# KiCad board IO-SDR_Rev_1.0.kicad_pcb (continued)
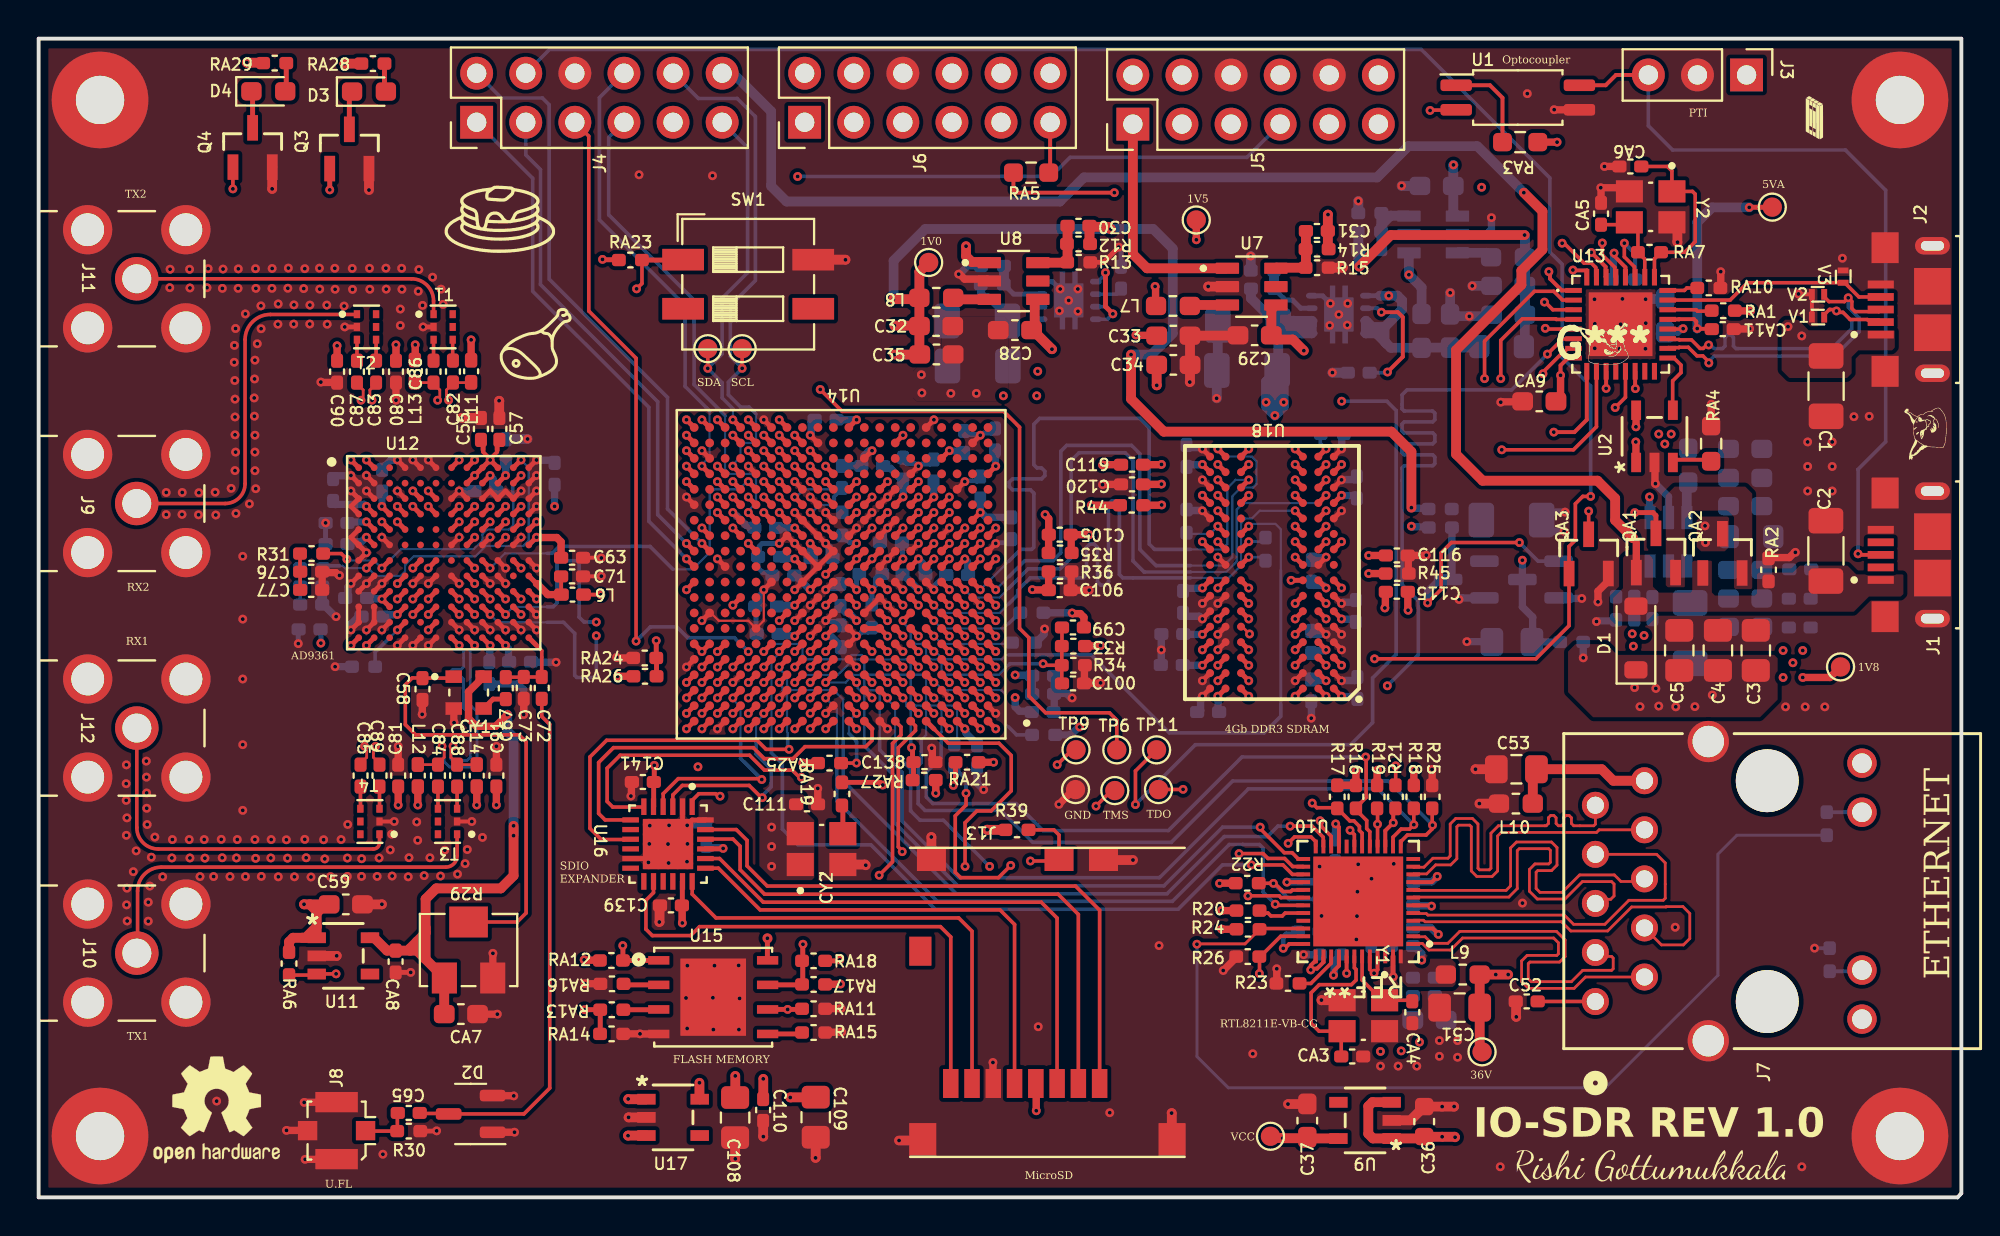
[diagram p0: board, top side]
## Routing (per net, layer and track width the routed paths; a pad name or vN(x,y) marks a point on that pad's centre or on a via; arc(x,y) is an arc through that point) (continued)
PS_MIO39_501_USB0_D7: length 82.5
  Top.Cu w0.186: v1(81.55,40.88) 82.08,41.41 U13.13
  Top.Cu w0.254: v1(35.11,25.85) U14.C18
  In2_Sig1.Cu w0.113: v1(35.11,25.85) 34.71,25.45 34.71,24.89 34.48,24.65 34.15,24.65 33.91,24.41 33.91,23.92 33.67,23.69 33.67,20.56 34.59,19.65 34.59,18.07 36.67,15.99 39.41,15.99 42.36,13.04 56.54,13.04 57.41,12.18 62.12,12.18 63.52,13.58 64.33,13.58 65.98,15.23 70.15,15.23 70.71,15.79 72.84,15.79 79.24,22.19 79.24,32.32 81.55,34.63 v1(81.55,40.88)
PTI: length 40.7
  Top.Cu w0.203: U1.4 81.06,57.57 81.59,58.1 J3.3 ; J1.3 94.17,33.26 v1(94.12,33.31)
  Bottom.Cu w0.186: v1(94.12,33.31) 94.12,37.66 94.11,37.67 95.55,39.11 95.55,52.13 93.46,54.22 84.52,54.22 83.27,55.47 J3.3
SCL: length 27.5
  Top.Cu w0.186: v1(36.39,42.91) TP12.1
  Top.Cu w0.254: v1(35.91,37.85) U14.U17
  Bottom.Cu w0.113: v1(35.91,37.85) 35.91,37.94 36.31,38.33 36.31,38.81 36.55,39.05 36.87,39.05 37.11,39.29 37.11,40.55
  Bottom.Cu w0.186: J4.10 34.12,56.88 36.14,56.88 37.08,55.94 37.08,47.46 35.78,46.16 35.78,43.52 v1(36.39,42.91) 35.68,42.2 35.68,41.54 36.32,40.91 36.75,40.91 37.11,40.55
SD_BOOT: length 87.3
  Top.Cu w0.254: v1(28.24,9.72) 29.05,9.72 RA13.2 29.05,8.47 RA14.1
  In5_Sig2.Cu w0.113: J5.12 71.95,55.45 71.95,40.44 72.54,39.86 72.54,27.54 65.83,20.84 62.4,20.84 56.53,14.97 51.05,14.97 43.76,7.68 38.8,7.68 36.76,9.72 v1(28.24,9.72)
SDA: length 18.9
  Top.Cu w0.186: v1(34.61,42.91) TP10.1
  Top.Cu w0.254: v1(35.91,40.25) U14.Y17
  Bottom.Cu w0.113: v1(35.91,40.25) 35.91,40.83
  Bottom.Cu w0.186: 35.91,40.83 35.36,41.38 35.36,42.17 v1(34.61,42.91) 35.36,43.66 35.36,46.55 36.67,47.87 36.67,54.33 J4.11
SDMMC_CLK: length 21.1
  Top.Cu w0.186: U16.9 30.31,18.54 30.29,18.52 29.1,18.52 28.52,19.1 28.52,22.8 29.38,23.66 37.16,23.66 37.63,23.19 v1(38.82,23.19)
  Top.Cu w0.254: v1(38.31,26.65) U14.D14
  Bottom.Cu w0.113: v1(38.31,26.65) 38.31,26.58 38.49,26.4 38.49,26.24 38.71,26.01 38.71,24.09 38.75,24.05 38.75,23.69
  Bottom.Cu w0.186: v1(38.82,23.19) 38.75,23.26 38.75,23.69
SDMMC_CMD: length 11.5
  Top.Cu w0.186: v1(37.41,21.63) 37.36,21.67 33.09,21.67 32.31,20.89 U16.4
  Top.Cu w0.254: v1(35.91,25.85) U14.C17
  Bottom.Cu w0.113: v1(35.91,25.85) 35.91,25.77 36.31,25.37 36.31,23.69
  Bottom.Cu w0.186: v1(37.41,21.63) 36.31,22.73 36.31,23.69
SDMMC_D0: length 22.1
  Top.Cu w0.186: v1(39.46,21.74) 39.36,21.74 38.99,22.11 37.55,22.11 36.77,22.89 30.08,22.89 29.41,22.21 29.41,20.49 29.7,20.2 31.29,20.2 U16.6
  Top.Cu w0.254: v1(39.91,27.45) U14.E12
  In5_Sig2.Cu w0.113: v1(39.46,21.74) 39.91,21.74 40.15,21.98 40.15,23.48 40.31,23.63 40.31,24.42 40.07,24.65 39.75,24.65 39.51,24.89 39.51,26.97 39.91,27.37 v1(39.91,27.45)
SDMMC_D1: length 20.7
  Top.Cu w0.186: 43.11,24.25 43.11,23.66 42.78,23.33 39.64,23.33 39.02,22.71 37.54,22.71 36.97,23.28 29.74,23.28 28.97,22.51 28.97,19.87 29.3,19.54 U16.7
  Top.Cu w0.254: U14.A9 43.11,24.25
SDMMC_D2: length 12.2
  Top.Cu w0.186: v1(35.25,20.76) 35.15,20.76 35.02,20.89 34.15,20.89 33.81,20.55 U16.1
  Top.Cu w0.254: v1(39.11,28.25) U14.F13
  In5_Sig2.Cu w0.113: v1(39.11,28.25) 39.11,28.17 38.71,27.77 38.71,27.29 38.48,27.05 38.15,27.05 37.91,26.82 37.91,26.49 37.68,26.25 37.35,26.25 37.11,26.02 37.11,24.89 36.88,24.65 36.55,24.65 36.31,24.42 36.31,22.89 35.25,21.82 v1(35.25,20.76)
SDMMC_D3: length 11.3
  Top.Cu w0.186: U16.3 32.81,20.83 33.3,21.32 36.75,21.32 37.39,20.69 v1(37.43,20.69)
  Top.Cu w0.254: v1(37.51,25.05) U14.B15
  Bottom.Cu w0.113: v1(37.51,25.05) 37.51,24.98 37.11,24.58 37.11,23.69
  Bottom.Cu w0.186: 37.11,23.69 37.11,22.95 37.89,22.17 37.89,21.25 37.43,20.79 v1(37.43,20.69)
TCK: length 79.3
  Top.Cu w0.186: v1(56.74,20.33) 56.74,22.07 TP11.1
  Top.Cu w0.254: U14.F9 v1(43.11,28.25)
  In5_Sig2.Cu w0.113: v1(56.74,20.33) 55.53,19.13 50.26,19.13 49.71,19.68 43.47,19.68 41.83,21.32 41.83,22.82 41.91,22.91 41.91,25.22 42.15,25.45 42.48,25.45 42.71,25.69 42.71,27.77 43.11,28.17 v1(43.11,28.25) ; v1(67.4,41.21) 67.38,41.21 59.14,49.45 J5.3
  Bottom.Cu w0.186: v1(67.4,41.21) 69.74,41.21 70.23,40.73 70.23,28.11 69,26.89 69,24.57 67.86,23.43 59.84,23.43 v1(56.74,20.33)
TDI: length 66.6
  Top.Cu w0.186: TP9.1 53.46,23.17 v1(52.69,22.39)
  Top.Cu w0.254: U14.G6 v1(45.51,29.05)
  In5_Sig2.Cu w0.113: J5.5 61.91,55.32 61.91,54.25 63.87,52.29 63.87,46.64 69.06,41.46 69.06,34.16 68.32,33.42 68.32,25.72 65.17,22.57 58.36,22.57 57.69,21.89 53.29,21.89 52.79,22.39 v1(52.69,22.39) 52.58,22.39 52.05,21.86 49.32,21.86 48.53,22.65 47.82,22.65 46.61,23.85 46.15,23.85 45.91,24.09 45.91,25.02 45.91,25.03 45.91,25.22 46.15,25.45 46.47,25.45 46.71,25.69 46.71,26.82 46.47,27.05 46.15,27.05 45.91,27.29 45.91,28.57 45.51,28.97 v1(45.51,29.05)
TDO: length 75.4
  Top.Cu w0.186: 57.93,21.11 57.94,21.11 59.19,21.11 v1(59.2,21.12)
  Top.Cu w0.254: U14.F6 v1(45.51,28.25)
  In5_Sig2.Cu w0.113: v1(45.51,28.25) 45.51,28.16 45.11,27.77 45.11,25.69 44.88,25.45 44.55,25.45 44.31,25.22 44.31,21.94 45.97,20.28 48.61,20.28 49.42,21.09 59.18,21.09 v1(59.2,21.12) 59.22,21.12 59.9,21.81 65.4,21.81 69.04,25.45 69.04,26.8 69.59,27.34 69.59,29.3 69.16,29.73 69.16,30.94 69.94,31.73 69.94,41.03 64.41,46.57 64.41,52.69 63.01,54.09 63.01,56.27 62.4,56.88 60.35,56.88 J5.4
TMS: length 59
  Top.Cu w0.186: TP7.1 55.5,21.06 v1(54.7,20.25)
  Top.Cu w0.254: U14.J6 v1(45.51,30.65)
  In5_Sig2.Cu w0.113: J5.2 55.09,56.58 55.09,50.56 47.85,43.32 47.85,40.17 46.71,39.03 46.71,36.09 46.47,35.85 46.15,35.85 45.91,35.61 45.91,35.29 45.67,35.05 45.35,35.05 45.11,34.82 45.11,31.13 45.51,30.74 v1(45.51,30.65) 45.51,30.57 45.11,30.17 45.11,28.09 44.87,27.85 44.55,27.85 44.31,27.61 44.31,27.29 44.07,27.05 43.75,27.05 43.51,26.82 43.51,25.69 43.28,25.45 42.95,25.45 42.71,25.22 42.71,23.59 43,23.3 43,20.64 43.66,19.97 49.83,19.97 50.38,19.42 53.86,19.42 v1(54.7,20.25)
TX_VCO_1P1V_SUPPLY: length 15.2
  Top.Cu w0.186: v1(15.94,33.03) 15.65,33.32 R31.2
  Top.Cu w0.254: v1(17.75,32.57) 18.15,32.97 ; U12.B11 v1(24.95,37.37)
  Bottom.Cu w0.113: v1(15.94,33.03) 16.01,32.97 17.35,32.97 v1(17.75,32.57) 18.74,33.56 22.5,33.56 22.95,34 22.95,34.33 23.19,34.57 24.32,34.57 24.55,34.8 24.55,36.45 24.52,36.48
  Bottom.Cu w0.186: v1(24.95,37.37) 24.52,36.93 24.52,36.48
UART_RX: length 46.7
  Top.Cu w0.254: U14.E8 v1(43.91,27.45)
  In5_Sig2.Cu w0.113: J5.8 63.09,59.23 55.58,59.23 54.27,57.92 54.27,52.82 46.45,45 46.45,41.4 45.91,40.86 45.91,36.09 45.68,35.85 45.33,35.85 45.11,35.63 45.11,35.29 44.87,35.05 44.55,35.05 44.31,34.82 44.31,34.71 44.31,34.71 44.31,27.93 43.91,27.54 v1(43.91,27.45)
UART_TX: length 53.9
  Top.Cu w0.254: U14.D9 v1(43.11,26.65)
  In5_Sig2.Cu w0.113: v1(43.11,26.65) 43.11,26.74 43.51,27.13 43.51,29.14 42.71,29.94 42.71,30.95 42.69,30.98 42.69,31.2 42.71,31.23 42.71,33.69 43.51,34.49 43.51,34.81 43.75,35.05 44.07,35.05 44.31,35.29 44.31,35.61 44.55,35.85 44.87,35.85 45.11,36.09 45.11,44.16 53.84,52.9 53.84,58.23 55.13,59.52 64.72,59.52 65.55,58.69 65.55,56.77 J5.9
USB_ID: length 11.7
  Top.Cu w0.186: J2.4 94.16,46.61 93.42,47.35 V3.2 88.4,47.35 87.5,46.45 U13.23
USB_OTG_CPEN: length 3.2
  Top.Cu w0.186: U13.17 84.59,43.45 84.96,43.08 84.96,42.69 84.53,42.26 84.53,40.89
USB_OTG_N: length 16.3
  Top.Cu w0.182: 92.64,45.96 92.36,45.69 V1.2 ; 92.64,45.96 92.64,45.96 92.93,45.96 v1(93,45.88) 93.07,45.81 93.34,45.81 93.71,45.44 94.6,45.44 94.62,45.42 95.18,45.42 J2.2 ; 92.64,45.96 92.7,45.96 ; U13.19 84.31,44.41 84.85,44.41 84.87,44.39 85.5,44.39 85.94,43.94 86.1,43.94 86.29,44.12 v1(86.39,44.12)
  Bottom.Cu w0.182: v1(93,45.88) 93.07,45.81 93.34,45.81 93.79,45.36 93.79,44.97 92.75,43.94 87.8,43.94 87.67,44.07 87.67,44.51 87.54,44.64 87.37,44.64 87.24,44.51 87.24,44.07 87.1,43.94 86.68,43.94 86.49,44.12 v1(86.39,44.12)
USB_OTG_P: length 16.8
  Top.Cu w0.182: v1(86.4,43.19) 86.4,43.25 86.09,43.56 85.78,43.56 85.34,44 84.87,44 84.85,43.99 84.31,43.99 U13.18 ; V2.2 92.36,46.62 92.61,46.37 93.41,46.37 v1(93.61,46.56) 93.8,46.37 93.8,46.01 93.96,45.85 95.18,45.85 J2.3
  Bottom.Cu w0.182: v1(86.4,43.19) 86.4,43.27 86.68,43.55 92.91,43.55 94.18,44.81 94.18,45.52 93.61,46.08 93.61,46.56 v1(93.61,46.56)
USB_VBUS_OTG: length 2.3
  Top.Cu w0.186: RA1.1 86.52,45.87 85.81,45.87 85.74,45.95 U13.22
USR_BTN: length 92.1
  Top.Cu w0.186: RA23.2 31.21,47.31 v1(30.93,47.03) ; v1(50.29,17.18) 49.65,16.55 47.69,16.55 47.41,16.83 47.41,19.75 47.97,20.31 v1(47.97,20.92)
  Top.Cu w0.254: SW1.1 33.32,48.52 RA23.2
  In5_Sig2.Cu w0.113: v1(30.93,47.03) 30.93,43.8 30.11,42.97 14.55,42.97 13.97,42.39 13.97,30.45 13.96,30.44 13.96,22.6 14.58,21.98 31.19,21.98 31.59,21.58 33.55,21.58 35.07,20.05 38.25,20.05 39.49,18.81 44.93,18.81 45.88,17.85 49.62,17.85 v1(50.29,17.18)
  Bottom.Cu w0.186: RA20.2 47.36,22.21 47.59,21.99 47.63,21.99 47.97,21.64 v1(47.97,20.92)
USR_LED: length 97
  Top.Cu w0.254: Q3.1 15.06,53.25 v1(15.06,52.15) 15.06,52.15 ; U14.C8 v1(43.91,25.85)
  In5_Sig2.Cu w0.113: v1(49.19,17.13) 49.12,17.13 48.69,17.56 45.61,17.56 44.66,18.52 39.37,18.52 38.24,19.65 34.89,19.65 33.32,21.22 31.54,21.22 31.11,21.65 13.86,21.65 12.8,22.72 12.8,27.91 12.79,27.92 12.79,29.24 13.65,30.1 13.65,42.52 14.43,43.3 22.45,43.3 22.88,43.73 22.88,45 22.5,45.38 22.5,49.02 21.23,50.29 15.31,50.29 15.06,50.54 v1(15.06,52.15)
  Bottom.Cu w0.113: v1(43.91,25.85) 43.91,25.77 44.31,25.37 44.31,23.69
  Bottom.Cu w0.186: 44.31,23.69 44.31,22.97 45.1,22.18 45.1,20.01 45.59,19.52 46.81,19.52 v1(49.19,17.13)
Net-(C10-Pad1): length 17.2
  Top.Cu w0.508: v1(76.87,49.81) 69.95,49.81 v1(68.31,48.18)
  Bottom.Cu w0.508: R4.1 68.26,49.97 68.26,49.36 ; v1(68.31,48.18) 68.26,48.23 68.26,49.36 ; 68.26,49.36 C10.1 ; v1(76.87,49.81) 76.88,49.8 L1.2 C12.1 76.88,45.69 76.88,44.09 L3.1
Net-(C14-Pad1):
  vias: v1(82.43,29.17) v1(82.49,28.53) v1(83.05,29.08) v1(83.81,39.51) v1(84.12,39) v1(84.45,39.51)
Net-(C76-Pad2): length 1.9
  Top.Cu w0.186: R31.1 13.52,32.39 C76.2 C77.2
Net-(C78-Pad2): length 1.9
  Bottom.Cu w0.186: R32.1 13.52,31.63 C78.2 C79.2
Net-(C82-Pad2): length 1.1
  Top.Cu w0.186: 21.42,43.31 T1.4
Net-(C83-Pad2): length 1.1
  Top.Cu w0.186: C83.2 T2.4
Net-(C84-Pad2): length 1.1
  Top.Cu w0.186: T3.4 C84.2
Net-(C85-Pad2): length 1.2
  Top.Cu w0.186: C85.2 16.65,21.26 16.65,20.12 T4.4
Net-(C86-Pad2): length 1.1
  Top.Cu w0.186: C86.2 T1.3
Net-(C87-Pad2): length 1.1
  Top.Cu w0.186: C87.2 T2.3
Net-(C88-Pad2): length 1.1
  Top.Cu w0.186: T3.3 C88.2
Net-(C89-Pad2): length 1.1
  Top.Cu w0.186: T4.3 C89.2
Net-(CY1-Out): length 1.3
  Top.Cu w0.254: CY1.3 23.51,25.79 24.16,25.79
Net-(CY1-Standby): length 23.4
  Top.Cu w0.186: CY1.1 21.39,26.88 19.85,26.88 19.85,26.89 19.32,26.89 18.97,26.53 18.97,24.47 19.5,23.94 24.86,23.94 25.22,23.58 25.22,14.72 24.75,14.25 R29.2
Net-(D3-A): length 1.5
  Top.Cu w0.254: RA28.2 17.89,57.31 D3.2
Net-(D3-K): length 2
  Top.Cu w0.254: D3.1 16.07,57.1 Q3.3
Net-(D4-A): length 1.5
  Top.Cu w0.254: D4.2 12.81,57.3 RA29.2
Net-(D4-K): length 1.9
  Top.Cu w0.254: D4.1 11.07,57.19 Q4.3
Net-(J7-EARTH): length 7.7
  Top.Cu w0.508: L10.2 77.29,21.97 C53.2 80.86,22.16 81.45,21.57 J7.10
Net-(J7-TCT): length 3
  Top.Cu w0.186: C52.2 77.55,10.14 80.53,10.14 J7.1
Net-(J8-In): length 2.6
  Top.Cu w0.186: C65.2 18.56,4.35 18.56,3.44 R30.1 16.94,3.43 J8.1
Net-(Q1-B): length 14.3
  Top.Cu w0.186: v1(71.85,30.77) 72.55,31.47 72.55,33.36 73.08,33.9 v1(76.6,33.9)
  Bottom.Cu w0.186: Q1.1 77.57,32.93 v1(76.6,33.9)
  Bottom.Cu w0.381: v1(71.85,30.77) 71.85,31.35 72.47,31.98 Q2.3 73.11,32.18 R2.2
Net-(Q1-C): length 19.1
  In5_Sig2.Cu w0.113: v1(83.33,36.26) 84.27,35.32 84.27,32.52 83.94,32.19 77.56,32.19 76.77,32.98 v1(76.75,32.98)
  Bottom.Cu w0.381: v1(83.33,36.26) 83.33,35.22 U4.1 ; R3.2 C9.1 77.29,28.79 77.29,30.04 76.75,30.57 Q1.3 76.75,32.98 v1(76.75,32.98)
Net-(QA3-D): length 28.6
  Top.Cu w0.186: QA3.3 v1(80.18,35.52) ; U1.2 73.31,56.28 71.99,56.28 v1(71.98,56.26)
  In5_Sig2.Cu w0.113: v1(71.98,56.26) 75.21,56.26 77.56,53.91 77.56,47.71 79.24,46.04 79.24,36.46 v1(80.18,35.52)
Net-(RA3-Pad2): length 5
  Top.Cu w0.203: U1.1 75.07,57.57 75.72,56.92 RA3.2
Net-(U2-OCB): length 1.9
  Top.Cu w0.203: 84.53,38.18 86.44,38.18
Net-(U3-FB/OUT): length 4.1
  Bottom.Cu w0.508: 69.46,50.33 R5.1 69.59,50.81 69.97,50.81 ; 69.46,50.33 69.46,49.09 C10.2 ; 69.46,50.33 69.94,50.81 69.97,50.81 ; 69.97,50.81 70.86,50.81 U3.6
Net-(U3-LX): length 1.8
  Bottom.Cu w0.508: L1.1 74.9,48.89 73.39,48.89
Net-(U4-LX): length 1.8
  Bottom.Cu w0.508: L4.1 85.26,36.94 U4.3
Net-(U5-FB): length 3.3
  Bottom.Cu w0.254: 63.9,47.04 R8.2 64.5,46.44 64.87,46.44 65.29,46.02 U5.3
  Bottom.Cu w0.508: 63.9,47.04 R9.1
Net-(U5-NR): length 6.2
  Top.Cu w0.203: v1(69.78,42.72) 70.57,43.51 70.57,45.56 70.31,45.82 v1(69.46,45.82)
  Bottom.Cu w0.203: U5.6 69.26,46.02 v1(69.46,45.82) ; v1(69.78,42.72) 69.74,42.69 C24.1
Net-(U6-FB): length 3.1
  Bottom.Cu w0.254: R10.2 50.43,46.75 U6.3
  Bottom.Cu w0.508: R11.1 49.94,47.27 R10.2
Net-(U6-NR): length 1.5
  Bottom.Cu w0.186: U6.6 55.76,46.75 55.99,46.99 C22.1
Net-(U7-FB/OUT): length 3.5
  Top.Cu w0.508: C31.2 65.55,48.14 R15.1 64.03,48.12 64,48.09
Net-(U7-LX): length 2
  Top.Cu w0.508: 61.49,46.19 59.6,46.19 59.55,46.14
Net-(U8-FB/OUT): length 3.4
  Top.Cu w0.508: C30.2 53.22,48.42 R13.1 53.18,48.38 U8.6
Net-(U8-LX): length 1.9
  Top.Cu w0.508: U8.3 47.39,46.48 L8.1
Net-(U10-RSET): length 2.4
  Top.Cu w0.186: U10.39 66.85,12.46 66.85,12.11 65.81,11.07 R23.2
Net-(U12-RBIAS): length 2.9
  Top.Cu w0.254: v1(18.55,29.37) U12.L4
  Bottom.Cu w0.113: 18.16,28.97 v1(18.55,29.37)
  Bottom.Cu w0.186: 18.16,28.97 17.41,28.22 RA8.1
Net-(U13-RBIAS): length 1.6
  Top.Cu w0.186: U13.24 85.13,46.95 85.26,47.07 RA10.1
Net-(U13-VDD33): length 1.7
  Top.Cu w0.186: U13.20 85.01,44.95
  Bottom.Cu w0.381: 84.14,44.79 84.79,44.79 84.96,44.97 v1(85.07,44.97)
Net-(U14C-INIT_B_0): length 1.7
  Top.Cu w0.254: U14.R10 v1(42.31,36.25)
  Bottom.Cu w0.254: v1(42.31,36.25) 42.31,36.23 41.57,35.5 R40.1
Net-(U14C-PROGRAM_B_0): length 1.5
  Top.Cu w0.254: U14.L6 v1(45.51,33.05)
  Bottom.Cu w0.381: R41.1 45.84,32.25 45.71,32.37 45.71,32.83 45.51,33.03 v1(45.51,33.05)
Net-(U14C-VP_0): length 2.3
  Top.Cu w0.254: U14.K9 v1(43.11,31.45)
  Bottom.Cu w0.254: 43.52,32.25 43.48,32.25 43.29,32.05 43.29,31.68 43.11,31.51 v1(43.11,31.45) 43.1,31.44 43.1,30.69 R43.1
Net-(U14G-PS_DDR_VRN_502): length 4.8
  Top.Cu w0.254: U14.G5 v1(46.31,29.05)
  Bottom.Cu w0.113: 50.18,28.65 46.71,28.65 v1(46.31,29.05)
  Bottom.Cu w0.186: 50.18,28.65 50.29,28.65 R38.1
Net-(U14G-PS_DDR_VRP_502): length 5.5
  Top.Cu w0.254: U14.H5 v1(46.31,29.85)
  Bottom.Cu w0.113: 50.18,29.71 49.93,29.45 46.71,29.45 v1(46.31,29.85)
  Bottom.Cu w0.186: R37.1 50.74,30.26 50.18,29.71
Net-(U14H-PS_CLK_500): length 9.6
  Top.Cu w0.254: v1(43.67,21.34) 43.53,21.48 RA19.1 ; U14.E7 v1(44.71,27.45)
  In5_Sig2.Cu w0.113: v1(43.67,21.34) 43.67,23.24 43.51,23.4 43.51,25.22 43.75,25.45 44.08,25.45 44.31,25.69 44.31,26.97 44.71,27.37 v1(44.71,27.45)
Net-(U14H-PS_MIO7_500): length 9.3
  Top.Cu w0.254: RA21.1 47.43,21.44 v1(47.31,21.32) ; U14.D8 v1(43.91,26.65)
  In2_Sig1.Cu w0.113: v1(43.91,26.65) 43.99,26.65 44.16,26.48 44.32,26.48 44.55,26.25 44.87,26.25 45.11,26.02 45.11,25.69 45.35,25.45 45.67,25.45 45.91,25.22 45.91,24.89 46.15,24.65 46.47,24.65 46.71,24.41 46.71,23.83 47.31,23.23 v1(47.31,21.32)
Net-(U14H-PS_MIO8_500): length 7.7
  Top.Cu w0.254: U14.D5 v1(46.31,26.65)
  Bottom.Cu w0.113: 50.18,24.35 50.03,24.5 50.03,26.02 49.8,26.25 46.79,26.25 46.39,26.65 v1(46.31,26.65)
  Bottom.Cu w0.186: 50.18,24.35 50.59,23.94 RA22.1
Net-(U14H-PS_MIO14_500): length 3.9
  Top.Cu w0.254: U14.C5 v1(46.31,25.85)
  Bottom.Cu w0.113: v1(46.31,25.85) 46.39,25.85 46.79,25.45 47.27,25.45 47.51,25.22 47.51,23.69
  Bottom.Cu w0.186: RA20.1 47.51,23.59 47.51,23.69
Net-(U14I-PS_MIO_VREF_501): length 15.4
  Top.Cu w0.254: v1(40.71,27.45) U14.E11 ; RA26.2 31.96,27.91 31.95,27.92 31.95,28.82 v1(31.95,28.82)
  In5_Sig2.Cu w0.113: v1(40.71,27.45) 40.31,27.85 40.31,28.41 40.08,28.65 38.95,28.65 38.71,28.41 38.71,28.09 38.47,27.85 38.15,27.85 37.91,27.62 37.91,27.21 37.75,27.05 37.35,27.05 37.11,26.81 37.11,26.49 36.88,26.25 36.52,26.25 36.31,26.46 36.31,27.76 35.25,28.82 v1(31.95,28.82)
Net-(U14I-PS_SRST_B_501): length 4.3
  Top.Cu w0.186: RA25.1 42.3,22.48 v1(42.31,22.48)
  Top.Cu w0.254: U14.B10 v1(42.31,25.05)
  Bottom.Cu w0.113: v1(42.31,25.05) 41.91,24.65 41.91,24.01
  Bottom.Cu w0.186: 41.91,24.01 42.31,23.61 v1(42.31,22.48)
Net-(U18-ZQ0): length 2.4
  Top.Cu w0.254: v1(61,34.74) U18.L8
  Bottom.Cu w0.113: v1(61,34.74) 60.6,34.34 59.58,34.34
  Bottom.Cu w0.186: 59.33,34.39 59.38,34.34 59.58,34.34

## Copper pours and planes (outline as drawn; the poured copper is in the pictures)
+1V0 on In3_PWR1.Cu: 45.33,47.43 46.55,46.22 46.55,40.73 47.34,39.94 51.45,39.94 53.51,37.88 53.51,21.48 51.86,19.82 32.58,19.82 29.76,22.64 29.76,46.93 30.27,47.43
+1V2 on Bottom.Cu: 52.11,46.29 52.22,46.19 52.22,41.31 51.94,41.03 49.6,41.03 49.37,41.26 49.37,46.24 49.42,46.29
+1V2 on In4PWR2.Cu: 26.16,47.79 53.84,47.79 54.43,47.21 54.43,41.67 53.23,40.48 45.79,40.48 44.7,41.57 28.82,41.57 27.83,40.55 27.83,20.46 24.94,17.56 15.97,17.56 12.87,20.66 12.87,47 13.63,47.76 23.72,47.76
+1V5 on In4PWR2.Cu: 56.61,52.18 54.68,50.25 54.68,41.56 53.32,40.2 46.23,40.2 46.08,39.83 46.1,23.67 46.38,23.26 51.18,23.26 53.08,25.16 56.97,25.16 58.59,23.53 70.27,23.53 73.2,26.45 73.2,47.87 68.88,52.18
+1V8 on Top.Cu: 38.19,20.87 37.28,19.95 37.28,17.16 38.02,16.42 40,16.42 40.13,16.55 40.13,19.52 39.59,20.05 39.59,20.79 39.52,20.87
+1V8 on Bottom.Cu: 88.46,26.91 88.99,26.38 91.43,26.38 91.76,26.71 91.76,28.34 91.05,29.06 91.05,34.61 90.7,34.96 88.64,34.96 88.46,34.79
+1V8 on In4PWR2.Cu: 0,0 62.1,0 99.46,0 99.46,59.98 0,59.98
+3V3 on Bottom.Cu: 33.34,18.58 31.64,16.88 31.64,3.87 32.68,2.83 52.85,2.83 53.33,3.31 53.33,8.04 52.01,9.36 39.34,9.36 36.9,11.8 36.9,18.38 36.7,18.58
+5VA on Top.Cu: 81.65,28.08 81.1,28.64 79.5,28.64 79.11,28.26 79.11,26.15 80.41,24.85 89.05,24.85 89.96,25.77 89.96,27.9 89.78,28.08
+5VA on Top.Cu: 85.97,35.24 85.77,35.04 85.77,33.67 86,33.44 87.22,33.44 87.45,33.67 87.45,35.17 87.37,35.24
+5VA on Bottom.Cu: 84.91,32.25 84.91,33.39 85.79,34.28 85.79,35.17 85.92,35.29 86.43,35.29 86.56,35.17 86.56,29.32 86.18,28.94 84.52,28.94 84.14,29.32 84.14,31.48
+5VA on In3_PWR1.Cu: 0,0 62.1,0 99.46,0 99.46,59.98 0,59.98
+5VD on Top.Cu: 83.18,29.81 81.7,29.81 81.45,30.06 81.45,31.03 81.96,31.53 81.96,33.11 82.11,33.26 83.31,33.26 83.51,33.06 83.51,31.61 83.81,31.31 85.44,31.31 85.54,31.41 85.54,32.88 85.62,32.96 86.56,32.96 86.56,31.31 86.71,31.15 88.79,31.15 88.89,31.25 88.89,32.25 88.99,32.35 90.75,32.35 91.1,32.7 93.57,32.7 94.02,32.25 96.44,32.25 96.46,32.22 96.46,31.23 96.34,31.1 94.68,31.1 93.9,30.32 83.69,30.32
+5VP on Top.Cu: 90.16,45.25 90.34,45.43 91.03,45.43 91.56,44.88 95.99,44.88 96.02,44.85 96.02,43.98 95.88,43.84 94.13,43.84 93.79,43.5 93.79,42.65 93.55,42.41 90.56,42.41 90.16,42.81
+5VP on In5_Sig2.Cu: 84.07,46.95 80.99,43.88 80.99,35.06 81.45,34.61 83.74,34.61 84.63,35.5 84.63,36.31 91.92,43.6 91.92,46.34 91.31,46.95
+15V on In3_PWR1.Cu: 57.7,40.93 57.24,40.48 57.24,30.06 58.64,28.66 69.89,28.66 70.94,29.71 70.94,33.39 69.69,34.63 69.69,40.07 68.83,40.93
+36V on In4PWR2.Cu: 76.12,17.82 77.64,16.29 77.64,10.55 76.44,9.34 63.36,9.34 61.92,10.78 61.92,16.87 62.87,17.82
GND on Top.Cu: 0,-0.01 62.1,-0.01 99.46,-0.01 99.46,59.97 0,59.97
GND on Top.Cu: 45.41,41.21 45.23,41.39 45.23,42.76 45.46,42.99 46.25,42.99 46.7,43.45 46.7,45.53 46.78,45.61 49.93,45.61 50.18,45.35 50.18,41.77 49.62,41.21
GND on Bottom.Cu: 45.41,46.37 45.21,46.16 45.21,41.44 45.51,41.14 47.41,41.14 47.64,41.36 47.64,46.29 47.57,46.37
GND on Bottom.Cu: 0.02,0.03 62.12,0.03 99.48,0.03 99.48,60.01 0.02,60.01
GND on In1.GND1.Cu: 0,0 62.1,0 99.46,0 99.46,59.98 0,59.98
GND on In6_GND2.Cu: 0,0 62.1,0 99.46,0 99.46,59.98 0,59.98
VCC on Bottom.Cu: 71.62,8.51 71.85,8.28 71.85,7.58 71.36,7.09 69.01,7.09 68.42,7.68 68.42,13.45 68.52,13.55 70.17,13.55 70.4,13.32 70.4,12.46 70.73,12.13 71.21,12.13 71.44,11.9 71.44,9.84 71.62,9.66
VCC on In3_PWR1.Cu: 67.81,5.68 67,4.86 67,2.63 66.62,2.25 62.02,2.25 59.35,4.92 59.35,19.9 63.72,24.27 95.4,24.27 96.23,23.43 96.23,17.01 94.91,15.68 78.99,15.68 74.95,11.65 74.95,7.53 73.09,5.68
+12L on In3_PWR1.Cu: 21.49,44.29 16.74,39.54 14.85,39.59 13.68,39.59 12.41,38.32 12.41,27.9 13.94,26.38 29.22,26.38 29.52,26.68 29.52,47.03 30.19,47.69 50.53,47.69 59.15,39.08 64.16,39.08 65.55,40.48 65.55,42.63 55.8,52.39 24.89,52.39 21.49,49
/ETHERNET/REGOUT on Top.Cu: 71.49,12.84 71.98,12.36 73.07,12.36 73.3,12.13 73.3,11.04 73.15,10.88 70.81,10.88 70.33,11.37 70.33,12.84
/XC7Z010/P6 on In3_PWR1.Cu: 52.07,36.25 52.55,35.78 52.55,33.92 51.94,33.31 51.94,31.2 51.68,30.95 50.84,30.95 50.54,31.25 50.54,32.09 50.23,32.4 45.64,32.4 45.32,32.71 45.32,34.85 44.95,35.22 44.95,35.96 45.25,36.25
Net-(C14-Pad1) on Bottom.Cu: 82.26,30.32 82.19,30.24 82.19,29.53 82.01,29.35 82.01,28.36 82.29,28.08 83.15,28.08 83.89,28.82 83.89,30.26 83.84,30.32
Net-(C14-Pad1) on Bottom.Cu: 87.47,40.04 88.05,39.46 88.05,33.62 87.85,33.41 86.81,33.41 86.68,33.54 86.68,37.58 86.2,38.06 83.51,38.06 83.23,38.34 83.23,39.92 83.36,40.04
Net-(C14-Pad1) on In2_Sig1.Cu: 84.91,40.5 85.29,40.12 85.29,28.44 84.65,27.8 81.98,27.8 81.6,28.18 81.6,32.75 82.75,33.9 82.75,40.12 83.13,40.5
Net-(Q2-B) on Bottom.Cu: 75.58,36.54 75.76,36.36 75.76,32.68 75.51,32.42 74.14,32.42 73.78,32.78 73.78,35.01 73.53,35.27 72.69,35.27 72.56,35.4 72.56,36.44 72.66,36.54
Net-(QA1-S) on Top.Cu: 85.16,35.12 85.59,35.55 87.37,35.55 87.7,35.22 87.7,31.56 87.78,31.48 88.59,31.48 88.64,31.53 88.64,36.44 88.28,36.79 84.63,36.79 84.17,36.33 84.17,31.69 84.27,31.59 85.13,31.59 85.16,31.61
Net-(U4-FB/OUT) on Bottom.Cu: 80.97,33.39 80.84,33.26 80.84,30.98 81.22,30.59 83.76,30.59 83.89,30.72 83.89,33.26 83.76,33.39

## Text on the board
B.Silkscreen: POWER + DATA | RX1 | TX2 | RX2 | TX1 | POWER ONLY | ETHERNET | IO-SDR REV 1.0
F.Silkscreen: TX2 | RX1 | RX2 | TX1 | AD9361 | U.FL | SDIO / EXPANDER | FLASH MEMORY | SDA | SCL | 1V0 | MicroSD | GND | TMS | TDO | 1V5 | RTL8211E-VB-CG | 4Gb DDR3 SDRAM | VCC | 36V | Optocoupler | PTI | 5VA | 1V8 | ETHERNET | IO-SDR REV 1.0
